# Altium PCB Copy of GameBoard_V1I1_083018.PcbDoc (part 16 of 21) (continued)
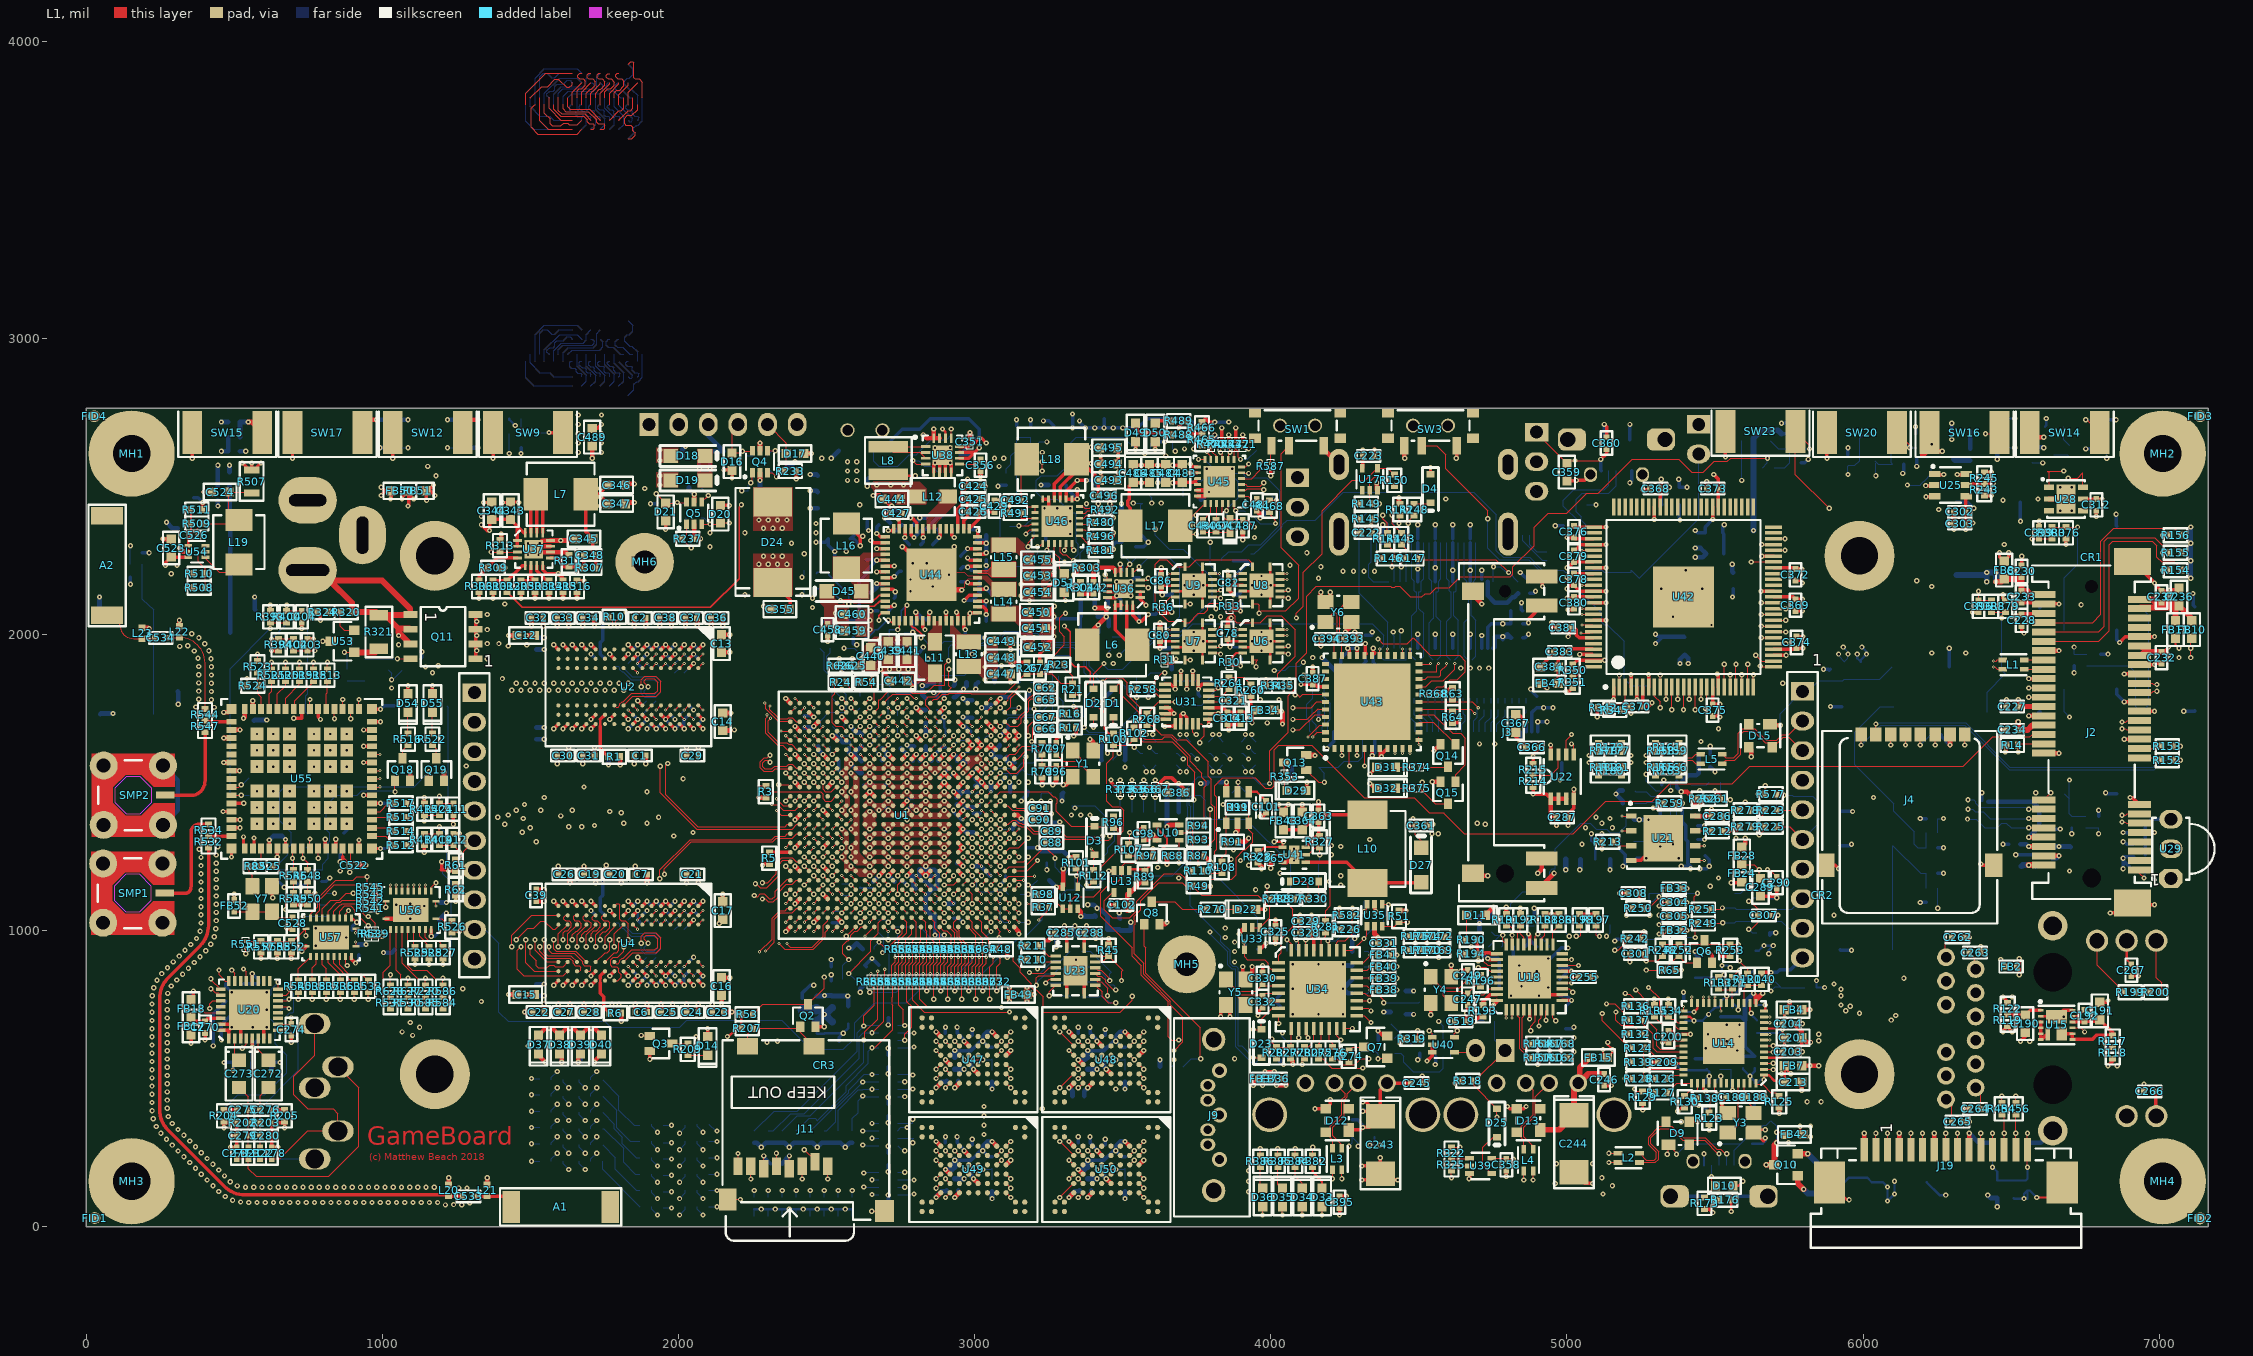
[diagram p0: L1 view]
## Nets (pads, with @x,y where several pads share a name; then routed paths per layer and width w, separated by ;. In a path a pad name is that pad's centre, name@x,y a point inside that pad or via, vN(x,y) a via of type N, cw(c..) or ccw(c..) an arc to the next point about the centre after c; other vN are vias at no path point) (continued)
  L2 w3.94: v3(2866.14,1720.47) v4(2877.95,1732.28) ; v3(3653.54,2185.04) v4(3673.23,2185.04)
MX6_HDMI_D1_P: U1.J4 U9.2 | length 1537.4
  L1 w3.94: v3(2866.14,1688.98) U1.J4@2881.89,1673.23 ; v3(3653.54,2204.72) U9.2@3677.17,2204.72
  L3 w3.94: v4(2877.95,1700.79) 2872.67,1700.79 2868.02,1696.14 2860.94,1696.14 2841.97,1677.17 2819.45,1677.17 2803.74,1692.88 2803.74,1708.58 2803.74,1709.96 2830.71,1736.93 2830.71,1810.35 2889.76,1869.4 2889.76,1987.51 2905.51,2003.26 2929.81,2003.26 2940.94,1992.13 2988.19,1992.13 3015.75,2019.68 3070.87,2019.68 3125.98,2074.8 3196.18,2074.8 3251.97,2019.01 3251.97,1980.32 3256.24,1976.04 3279.87,1976.04 3291.34,1987.51 3325.14,2021.32 3325.14,2049.55 3341.84,2066.25 3370.08,2066.25 3382.87,2079.05 3382.87,2097.96 3396.14,2111.22 3406.5,2111.22 3456.69,2161.42 3546.57,2161.42 3570.19,2137.8 3594.49,2137.8 3653.54,2196.85 3665.35,2196.85 v4(3673.23,2204.72)
  L2 w3.94: v3(2866.14,1688.98) v4(2877.95,1700.79) ; v3(3653.54,2204.72) v4(3673.23,2204.72)
MX6_HDMI_D2_N: U1.K3 U8.3 | length 1544.9
  L1 w3.94: v3(2834.65,1720.47) U1.K3@2850.39,1704.73 ; v3(3881.89,2185.04) U8.3@3905.51,2185.04
  L3 w3.94: v4(2846.46,1708.66) 2866.14,1728.35 2866.14,1772.85 2893.7,1800.41 2893.7,1831.69 2921.26,1859.25 2922.76,1859.25 2924.73,1861.22 2933.59,1861.22 2944.88,1872.51 2944.88,1933.07 2968.5,1956.69 3070.19,1956.69 3129.25,2015.75 3194.11,2015.75 3215.55,1994.3 3215.55,1985.24 3216.54,1984.25 3216.54,1945.56 3232.96,1929.13 3283.46,1929.13 3358.27,2003.94 3476.38,2003.94 3555.12,2082.68 3652.35,2082.68 3659.24,2089.57 3671.47,2089.57 3690.17,2070.87 3744.09,2070.87 3803.15,2129.92 3803.15,2149.61 3826.77,2173.23 3881.21,2173.23 3897.3,2189.31 v4(3901.58,2185.04)
  L2 w3.94: v3(2834.65,1720.47) v4(2846.46,1708.66) ; v3(3881.89,2185.04) v4(3901.58,2185.04)
MX6_HDMI_D2_P: U1.K4 U8.2 | length 1573.9
  L1 w3.94: v3(2834.65,1688.98) U1.K4@2850.39,1673.23 ; v3(3881.89,2204.72) U8.2@3905.51,2204.72
  L3 w3.94: v4(2822.84,1700.79) 2822.72,1700.79 2858.27,1736.34 2858.27,1776.11 2885.83,1803.67 2885.83,1834.95 2918,1867.13 2919.5,1867.13 2921.47,1869.09 2930.33,1869.09 2937.01,1875.77 2937.01,1936.33 2965.24,1964.57 3066.93,1964.57 3125.98,2023.62 3197.37,2023.62 3223.43,1997.57 3223.43,1991.14 3224.41,1990.16 3224.41,1948.82 3236.22,1937.01 3280.2,1937.01 3355.01,2011.81 3473.12,2011.81 3551.86,2090.55 3649.09,2090.55 3655.98,2097.44 3674.73,2097.44 3693.43,2078.74 3740.83,2078.74 3795.28,2133.18 3795.28,2152.87 3823.51,2181.1 3877.95,2181.1 v4(3901.58,2204.72)
  L2 w3.94: v4(2822.84,1700.79) v3(2834.65,1688.98) ; v3(3881.89,2204.72) v4(3901.58,2204.72)
NetC275_2: C275.2 R204.2 | length 43.3
  L1 w11.81: R204.2@465.47,393.86 C275.2@508.78,393.86
NetC276_2: C276.2 R205.2 | length 43.3
  L1 w11.81: C276.2@626.89,393.86 R205.2@670.2,393.86
NetC322_2: C322.2 R267.1 U30.3 | length 99.7
  L12 w3.66: R267.1@5228.35,1472.44 5232.28,1468.5 C322.2@5267.72,1468.5 5283.46,1452.76 U30.3@5319.88,1452.76
NetC342_1: C342.1 R304.2 | length 43.3
  L1 w15.75: R304.2@3358.27,2137.8 C342.1@3401.57,2137.8
NetC349_1: C349.1 R316.2 | length 51.2
  L1 w11.81: R316.2@1657.48,2181.1 v1(1681.1,2181.1)
  L12 w11.81: C349.1@1653.54,2181.1 v1(1681.1,2181.1)
NetC365_1: C365.1 U41.2 | length 40.1
  L1 w7.87: C365.1@4000,1254.53 4038.19,1254.53 U41.2@4039.57,1255.91
NetC413_1: C413.1 D44.1 R427.1 R429.1 | length 182.5
  L12 w3.94: D44.1@5685.8,2653.54 5713.35,2625.98 R427.1@5751.97,2625.98 C413.1@5751.97,2578.74 5736.22,2562.99 R429.1@5700.79,2562.99
NetC480_1: C480.1 D47.1 R467.2 | length 91.4
  L1 w3.94: C480.1@3771.65,2346.46 3773.62,2344.49 D47.1@3862.2,2344.49
NetC492_1: C492.1 D53.1 R491.2 | length 68.9
  L1 w3.94: R491.2@3118.11,2409.45 v1(3118.11,2433.07) C492.1@3118.11,2452.76
  L12 w3.94: D53.1@3118.11,2407.48 v1(3118.11,2433.07)
NetC528_2: C528.2 FB52.1 Y7.1 Y7.4 | length 205
  L1 w3.94: FB52.1@500,1062.99 Y7.4@561.02,1062.99 Y7.1@627.95,1062.99 647.64,1043.31 C528.2@696.85,1043.31
NetD4_1: D4.1 R148.1 | length 64.3
  L1 w3.94: R148.1@4476.38,2440.94 4536.19,2440.94 D4.1@4539.37,2444.13
NetD5_1: D5.1 R154.2 | length 55.1
  L1 w3.94: v1(7011.81,2216.54) R154.2@7035.43,2216.54
  L12 w3.94: v1(7011.81,2216.54) D5.1@7043.31,2216.54
NetD6_1: D6.1 R155.2 | length 55.1
  L1 w3.94: v1(7011.81,2275.59) R155.2@7035.43,2275.59
  L12 w3.94: v1(7011.81,2275.59) D6.1@7043.31,2275.59
NetD7_1: D7.1 R156.2 | length 55.1
  L1 w3.94: v1(7011.81,2334.65) R156.2@7035.43,2334.65
  L12 w3.94: v1(7011.81,2334.65) D7.1@7043.31,2334.65
NetD14_1: D14.1 R209.1 | length 66.9
  L1 w3.94: R209.1@2031.5,578.74 D14.1@2098.43,578.74
NetD29_1: D29.1 R353.2 | length 40.1
  L1 w3.94: R353.2@4047.24,1509.25 4047.24,1480.32 D29.1@4055.12,1472.44
NetD31_1: D31.1 R374.2 | length 60.4
  L1 w3.94: D31.1@4421.26,1551.18 R374.2@4481.69,1551.18
NetD32_1: D32.1 R375.2 | length 60.4
  L1 w3.66: D32.1@4421.26,1480.31 R375.2@4481.69,1480.31
NetD49_2: D49.2 R488.1 | length 151.5
  L1 w11.81: D49.2@3543.31,2712.6 3543.31,2696.85 3559.06,2681.1 3661.42,2681.1 R488.1@3669.29,2673.23
NetD50_2: D50.2 R489.1 | length 62.3
  L1 w11.81: D50.2@3610.24,2712.6 3618.11,2720.47 R489.1@3669.29,2720.47
NetD51_2: D51.2 R490.1 | length 855.3
  L1 w3.94: v1@3303.15,2114.17 D51.2@3303.15,2141.73
  L10 w3.94: v1(3377.95,2440.94) 3385.31,2440.94 3407.95,2463.58 3420.28,2463.58 3489.17,2532.48 3490.37,2532.48 3500,2542.11 3500,2570.87 3538.39,2609.25 3552.94,2609.25 3577.55,2633.86 3599.2,2633.86 3604.12,2638.78 3617.13,2638.78 3637.8,2618.11 v1(3677.17,2618.11)
  L12 w3.94: v1(3307.09,2114.17) 3307.09,2204.72 3335.63,2233.27 3340.76,2233.27 3357.28,2249.79 3357.28,2275.8 3379.71,2298.23 3385.83,2298.23 3385.83,2317.7 3400.59,2332.47 3400.59,2365.93 3376.76,2389.76 3376.76,2439.75 v1(3377.95,2440.94) ; R490.1@3669.29,2653.54 3669.29,2625.98 v1(3677.17,2618.11)
NetJ1_14: J1.14 R142.1 | length 96.2
  L1 w3.94: v1(4433.07,2374.02) 4433.07,2397.64 R142.1@4437.01,2401.57
  L12 w3.94: v1(4433.07,2374.02) 4437.01,2370.08 J1.14@4437.01,2308.66
NetJP3_2: JP3.2 R486.1 | length 2109.7
  L12 w3.94: R486.1@3933.07,2271.65 3944.88,2271.65 3964.57,2291.34 3965.09,2291.34 4038.39,2364.64 4038.39,2369.09 4055.12,2385.83 4149.61,2385.83 4244.09,2480.31 4685.04,2480.31 4761.81,2403.54 4761.81,2282.91 4784.87,2259.84 4874.02,2259.84 4917.32,2216.54 4986.99,2216.54 4993.88,2209.65 5006.12,2209.65 5013.01,2216.54 5118.88,2216.54 5125.77,2209.65 5216.54,2209.65 5216.54,2216.54 5244.09,2188.98 5444.88,2389.76 JP3.2@5444.88,2608.66
NetQ3_3: Q3.3 R209.2 | length 53.1
  L1 w3.94: Q3.3@1978.35,618.11 R209.2@2031.5,618.11
NetQ7_3: Q7.3 R274.1 | length 56.1
  L1 w3.94: R274.1@4263.78,594.49 4275.59,606.3 Q7.3@4314.96,606.3
NetQ8_3: Q8.3 R270.2 | length 195.6
  L1 w3.94: Q8.3@3598.43,1096.46 3676.18,1096.46 3701.77,1070.87 R270.2@3783.46,1070.87
NetQ12_1: Q12.1 R323.2 | length 59.1
  L12 w3.94: R323.2@881.89,1842.52 Q12.1@940.94,1842.52
NetQ13_3: Q13.3 R353.1 | length 37.6
  L1 w3.94: Q13.3@4045.28,1566.93 4045.28,1532.09 R353.1@4047.24,1530.12
NetQ14_1: Q14.1 U43.14 | length 155
  L1 w3.66: 4500,1702.76 4549.21,1702.76 Q14.1@4624.02,1627.95
NetQ14_3: Q14.3 R374.1 | length 96.7
  L1 w3.94: R374.1@4502.56,1551.18 4596.46,1551.18 Q14.3@4598.43,1553.15
NetQ15_1: Q15.1 U43.15 | length 351.6
  L1 w3.66: 4500,1728.35 4551.18,1728.35 4614.17,1665.35 4641.73,1665.35 4657.48,1649.61 4657.48,1559.06 4624.02,1525.59 Q15.1@4624.02,1501.97
NetQ15_3: Q15.3 R375.1 | length 117.9
  L1 w3.66: R375.1@4502.56,1480.31 4555.71,1427.17 Q15.3@4598.43,1427.17
NetR30_2: R30.2 U6.6 | length 54
  L1 w7.87: R30.2@3862.2,1915.94 3883.27,1937.01 U6.6@3905.51,1937.01 U6.6@3904.13,1935.63
NetR31_2: R31.2 U7.6 | length 40.9
  L1 w3.94: R31.2@3641.73,1923.82 3654.92,1937.01 U7.6@3677.17,1937.01
NetR33_2: R33.2 U8.6 | length 52
  L1 w3.94: R33.2@3862.2,2104.92 3884.45,2104.92 3904.13,2124.61 U8.6@3905.51,2125.98
NetR36_2: R36.2 U9.6 | length 49.7
  L1 w3.94: R36.2@3637.8,2100.98 3662.8,2125.98 U9.6@3677.17,2125.98
NetR212_2: R212.2 U21.7 | length 55.8
  L1 w3.94: U21.7@5433.07,1336.22 5486.61,1336.22 R212.2@5488.19,1334.65
NetR213_1: R213.1 U21.3 | length 64.4
  L1 w3.94: R213.1@5157.48,1299.21 5170.47,1286.22 U21.3@5216.54,1286.22
NetR289_2: R289.2 TP52.1 U35.1 | length 111.7
  L1 w3.94: U35.1@4375.98,1088.58 4395.67,1088.58 v1(4397.64,1086.61)
  L12 w3.94: R289.2@4381.89,1003.94 4381.89,1043.31 TP52.1@4389.76,1051.18 4389.76,1078.74 v1(4397.64,1086.61)
NetR320_1: R320.1 R324.2 U53.2 | length 139.6
  L1 w3.94: R324.2@818.9,2074.8 R320.1@858.27,2074.8 858.27,2027.56 872.05,2013.78 U53.2@905.51,2013.78
NetR321_1: R321.1 R323.1 U53.1 | length 182.2
  L1 w3.94: v1(872.05,1938.98) U53.1@905.51,1938.98
  L1 w19.68: U53.1@905.51,1938.98 976.38,1938.98 R321.1@988.19,1950.79
  L12 w3.94: v1(872.05,1938.98) 881.89,1929.13 R323.1@881.89,1881.89
NetR467_1: R467.1 U45.21 | length 55.9
  L1 w3.94: R467.1@3814.96,2385.83 3816.93,2387.8 U45.21@3816.93,2440.94
NetR482_1: R482.1 R486.2 R487.2 | length 136.3
  L12 w11.81: R487.2@3874.02,2192.91 3921.26,2240.16 R486.2@3925.2,2240.16 ; R482.1@3874.02,2248.03 3917.32,2248.03 3923.23,2242.13 R486.2@3925.2,2240.16 ; R486.2@3933.07,2232.28 R486.2@3925.2,2240.16
NetR482_2: R482.2 U45.12 | length 707.3
  L1 w3.94: v1(3755.91,2590.55) U45.12@3777.56,2590.55
  L12 w3.94: v1(3755.91,2590.55) 3775.59,2590.55 3822.83,2543.31 3905.51,2543.31 3910.43,2538.39 3910.43,2537.19 3919.08,2528.54 3986.01,2528.54 4030.51,2484.04 4030.51,2367.9 3965.76,2303.15 3925.2,2303.15 3901.57,2279.53 3858.27,2279.53 3834.65,2255.91 R482.2@3834.65,2248.03
NetR487_1: R487.1 U46.12 | length 698.7
  L1 w3.94: U46.12@3354.33,2431.1 3366.92,2431.1 3371.84,2426.18 3389.55,2426.18 3395.46,2432.09 3408.46,2432.09 v1(3417.32,2440.94)
  L10 w3.94: v1(3417.32,2440.94) 3417.32,2393.7 3440.94,2370.08 3725.39,2370.08 3742.13,2353.35 3754.15,2353.35 3795.28,2312.22 v1(3795.28,2311.02)
  L12 w3.94: v1(3795.28,2311.02) 3795.28,2232.28 R487.1@3834.65,2192.91 3833.66,2192.91 3811.02,2215.55
NetR491_1: R491.1 U46.21 | length 65
  L1 w3.94: R491.1@3157.48,2409.45 3157.48,2391.73 U46.21@3204.72,2391.73
NetR493_1: R493.1 U46.24 | length 79.6
  L1 w3.94: v1(3181.1,2295.28) 3181.1,2309.06 U46.24@3204.72,2332.68
  L12 w3.94: R493.1@3169.29,2267.72 3181.1,2279.53 v1(3181.1,2295.28)
NetR512_2: R512.2 U55.50 | length 90.8
  L1 w3.94: U55.50@965.55,1318.9 1011.81,1318.9 R512.2@1043.31,1287.4
NetR513_1: R513.1 U55.6 | length 97.1
  L1 w3.94: U55.6@811.02,1747.05 811.02,1799.21 814.96,1803.15 R513.1@814.96,1842.52
NetR514_2: R514.2 U55.51 | length 82.6
  L1 w3.94: U55.51@965.55,1346.46 1031.5,1346.46 R514.2@1043.31,1334.65
NetR515_2: R515.2 U55.52 | length 81
  L1 w3.94: U55.52@965.55,1374.02 973.43,1381.89 R515.2@1043.31,1381.89
NetR517_2: R517.2 U55.53 | length 89.2
  L1 w3.94: U55.53@965.55,1401.57 992.43,1401.57 1019.98,1429.13 R517.2@1043.31,1429.13
NetR518_1: R518.1 U55.10 | length 123.2
  L1 w3.94: U55.10@700.79,1747.05 704.72,1750.98 704.72,1775.59 767.72,1838.58 R518.1@767.72,1842.52
NetR519_1: R519.1 U55.11 | length 115
  L1 w3.94: U55.11@673.23,1747.05 673.23,1783.46 720.47,1830.71 R519.1@720.47,1842.52
NetR520_1: R520.1 U55.12 | length 106.9
  L1 w3.94: U55.12@645.67,1747.05 645.67,1799.21 673.23,1826.77 R520.1@673.23,1842.52
NetR521_1: R521.1 U55.13 | length 98.7
  L1 w3.94: U55.13@618.11,1747.05 618.11,1799.21 625.98,1807.09 R521.1@625.98,1842.52
NetR523_1: R523.1 R524.1 U55.14 | length 127.9
  L1 w3.94: R523.1@578.74,1870.08 578.74,1799.21 590.55,1787.4 U55.14@590.55,1747.05
NetR533_2: R533.2 U57.17 | length 146
  L1 w3.94: U57.17@856.3,911.42 856.3,883.86 885.83,854.33 929.13,854.33 R533.2@952.76,830.71
NetR534_1: R534.1 SMP1.1 | length 359.7
  L1 w11.81: SMP1.1@265.75,1125.98 336.95,1125.98 ccw(c336.95,1139.43) 346.46,1129.92 ccw(c327.45,1148.93) 354.33,1148.93 354.33,1331.38 cw(c381.21,1331.38) 362.2,1350.39 cw(c381.21,1331.38) 381.21,1358.27 R534.1@413.39,1358.27
NetR535_2: R535.2 U57.16 | length 115.8
  L1 w3.94: U57.16@836.61,911.42 836.61,888.47 894.38,830.71 R535.2@905.51,830.71
NetR536_2: R536.2 U57.15 | length 97.8
  L1 w3.94: U57.15@816.93,911.42 816.93,891.73 858.27,850.39 R536.2@858.27,830.71
NetR537_2: R537.2 U57.14 | length 86.4
  L1 w3.94: U57.14@797.24,911.42 797.24,883.86 811.02,870.08 R537.2@811.02,830.71
NetR538_2: R538.2 U57.13 | length 86.4
  L1 w3.94: R538.2@763.78,830.71 763.78,874.02 777.56,887.8 U57.13@777.56,911.42
NetR540_2: R540.2 U57.12 | length 97.8
  L1 w3.94: R540.2@716.54,830.71 716.54,870.08 U57.12@757.87,911.42
NetR547_1: R547.1 SMP2.1 | length 326.3
  L1 w11.81: SMP2.1@267.72,1456.69 357.31,1456.69 ccw(c357.31,1497.02) 385.83,1468.5 ccw(c347.81,1506.52) 401.57,1506.52 R547.1@401.57,1669.29
NetR551_2: R551.2 R552.2 R557.1 R558.1 U56.10 U57.10 | length 626.3
  L1 w3.94: R551.2@539.37,963.19 691.54,963.19 R552.2@692.91,964.57 700.79,964.57 U57.10@742.13,1005.91 v1(742.13,982.28) ; v1(1011.81,1078.74) U56.10@1011.81,1098.43
  L10 w3.94: v1(742.13,982.28) 773.62,982.28 808.56,947.34 894.09,947.34 941.62,994.87 943.38,993.11 962.13,993.11 975.39,1006.37 975.39,1025.12 973.64,1026.88 1011.81,1065.06 v1(1011.81,1078.74)
NetR587_1: R587.1 SW1.3 | length 59.3
  L1 w3.94: R587.1@4000,2577.36 4000,2633.86 SW1.3@4001.97,2635.83
OCK_INV: R350.2 R351.2 U42.100 | length 82.9
  L1 w3.94: R350.2@5019.69,1858.27 5031.5,1858.27 5062.99,1889.76 U42.100@5089.57,1889.76
OEn: R34.2 R35.2 U6.1 U7.1 U8.1 U9.1 | length 1337.8
  L1 w3.94: U8.1@3938.98,2228.35 3938.98,2238.19 3925.2,2251.97 3748.03,2251.97 3724.41,2228.35 U9.1@3710.63,2228.35 3672.03,2228.35 3648.41,2251.97 3625.98,2251.97 3610.24,2236.22 3610.24,2086.28 3653.21,2043.31 3706.69,2043.31 U7.1@3710.63,2039.37 3724.41,2039.37 3755.91,2070.87 3775.59,2070.87 3787.4,2082.68 3787.4,2098.43 3794.08,2105.11 3835.84,2105.11 3842.52,2098.43 3842.52,2082.68 3855.31,2069.88 3872.26,2069.88 3880.91,2061.23 3880.91,2044.29 3885.83,2039.37 U6.1@3938.98,2039.37 3964.57,2039.37 3988.19,2062.99 4035.43,2062.99 4082.68,2015.75 4082.68,1925.2 4023.62,1866.14 R35.2@4023.62,1826.77
ON_OFF: R66.1 TP3.1 U1.D12 | length 264.5
  L1 w3.94: U1.D12@3039.37,1421.26 v3(3055.12,1437.01)
  L3 w3.94: v4(3066.93,1425.2) 3069.88,1422.24 3205.87,1422.24 3220.63,1437.01 v2(3224.49,1437.01)
  L2 w3.94: v3(3055.12,1437.01) v4(3066.93,1425.2)
  L12 w3.94: v2(3224.49,1437.01) 3224.49,1460.71 TP3.1@3228.35,1464.57 R66.1@3259.84,1464.57
OTG/IUSB1: R473.1 R479.2 TP49.1 U45.8 | length 103.9
  L1 w3.94: U45.8@3856.3,2590.55 3858.27,2592.52 3858.27,2610.24 v1(3862.2,2614.17) 3862.2,2627.36 R473.1@3858.27,2631.3
  L12 w3.94: v1@3854.33,2618.11 R479.2@3854.33,2637.8 TP49.1@3893.7,2637.8
OTG/IUSB2: R495.1 R496.2 U46.8 | length 513
  L1 w3.94: U46.8@3354.33,2352.36 3372.05,2352.36 v1(3385.83,2338.58) 3393.7,2330.71 R496.2@3405.51,2330.71
  L10 w3.94: v1(3385.83,2338.58) 3390.75,2343.5 3390.75,2407.27 3386.81,2411.21 3386.81,2423.44 3392.72,2429.34 3392.72,2437.22 3411.21,2455.71 3487.2,2455.71 3548.23,2516.73 3548.23,2517.93 3556.88,2526.57 3558.07,2526.57 3577.76,2546.26 3577.76,2607.28 v1(3574.8,2610.24)
  L12 w3.94: v1(3574.8,2610.24) 3578.74,2610.24 3595.47,2626.97 3595.47,2645.28 R495.1@3599.8,2649.61
OTG_ENABLE: U40.1 U51.4 | length 53.1
  L1 w3.94: v1(4535.43,661.42) 4545.28,651.57 U40.1@4545.28,639.76
  L12 w3.94: v1(4535.43,661.42) 4549.21,647.64 U51.4@4557.09,647.64
OTG_ENABLE_HZ: JP2.2 U40.4 | length 73.7
  L1 w3.94: U40.4@4620.08,588.58 4685.43,588.58 JP2.2@4691.34,594.49
P\D\: R589.2 U42.2 | length 75.8
  L1 w3.94: U42.2@5177.17,1821.85 v1(5177.17,1862.2)
  L12 w3.94: R589.2@5177.17,1826.77 v1(5177.17,1862.2)
P\D\O\: R348.2 U42.9 | length 75.8
  L1 w3.94: U42.9@5314.96,1821.85 v1(5314.96,1862.2)
  L12 w3.94: R348.2@5314.96,1826.77 v1(5314.96,1862.2)
PCIE_C_TX_N: C62.1 U1.A3 | length 155.8
  L1 w3.94: U1.A3@3133.86,1704.73 3143.7,1714.57 3149.61,1714.57 3149.61,1719.8 3175.37,1745.56 3175.37,1777.73 3187.35,1789.71 3191.28,1789.71 C62.1@3220.47,1818.9
PCIE_C_TX_P: C65.1 U1.B3 | length 192.1
  L1 w3.94: U1.B3@3102.36,1704.73 3118.11,1688.98 3145.67,1688.98 3157.48,1700.79 3157.48,1716.54 3183.24,1742.3 3183.24,1774.47 3190.61,1781.83 3206.36,1781.83 3208.66,1779.53 C65.1@3220.47,1779.53
PCIE_CLK_C_N: C66.1 U1.C7 | length 242.1
  L1 w3.94: U1.C7@3070.87,1578.74 v1(3086.61,1562.99) ; v1(3192.91,1637.8) 3195.87,1640.75 3195.87,1663.6 3195.87,1684.06 3204.72,1692.91 3208.66,1692.91 C66.1@3220.47,1681.1
  L10 w3.94: v1(3086.61,1562.99) 3118.11,1594.49 3144.99,1594.49 3177.17,1626.66 3177.17,1629.92 3185.04,1637.8 v1(3192.91,1637.8)
PCIE_CLK_C_P: C67.1 U1.D7 | length 280.5
  L1 w3.94: U1.D7@3039.37,1578.74 v1(3055.12,1562.99) ; v1(3181.1,1657.48) 3181.1,1688.98 3212.6,1720.47 C67.1@3220.47,1720.47
  L10 w3.94: v1(3055.12,1562.99) 3094.49,1602.36 3141.73,1602.36 3166.73,1627.36 3166.73,1643.1 v1(3181.1,1657.48)
PCIE_CLK_N: C66.2 J2.11 R17.2 | length 4403.2
  L1 w3.94: C66.2@3259.84,1681.1 3299.21,1681.1 R17.2@3303.15,1685.04 3314.96,1696.85 v3(3318.9,1696.85) ; v1(6874.02,1366.14) 6885.83,1366.14 6889.76,1362.2 J2.11@6933.07,1362.2
  L3 w3.94: v4(3330.71,1708.66) 3338.58,1716.54 3515.07,1716.54 3546.57,1748.03 3810.35,1748.03 3833.97,1771.65 3929.81,1771.65 3949.91,1751.56 3955.17,1751.56 3958.69,1748.03 3981.67,1748.03 4013.16,1716.54 4060.04,1716.54 4060.04,1718.71 4068.69,1727.36 4080.92,1727.36 4085.24,1723.04 4101.37,1739.17 4190.51,1739.17 4211.19,1759.84 4246.62,1795.28 4516.42,1795.28 4528.23,1783.46 4532.17,1779.53 4728.35,1779.53 4775.59,1732.28 4908.93,1732.28 4911.88,1729.33 5027.56,1729.33 5038.39,1740.16 5125.98,1740.16 5136.81,1729.33 5165.14,1729.33 5168.1,1732.28 5173.23,1737.41 5198.04,1737.41 5216.54,1755.91 5263.78,1755.91 5299.21,1720.47 5488.19,1720.47 5503.94,1736.22 5601.69,1736.22 5605.62,1740.16 5653.88,1788.42 5653.88,1795.61 5740.16,1881.89 5819.57,1881.89 5866.82,1834.65 6294.6,1834.65 6428.46,1968.5 6484.93,1968.5 6508.55,1944.88 6633.86,1819.57 6763.78,1689.65 6763.78,1394.38 6784.14,1374.02 6858.27,1374.02 6866.14,1366.14 v1(6874.02,1366.14)
  L2 w3.94: v3(3318.9,1696.85) v4(3330.71,1708.66)
PCIE_CLK_P: C67.2 J2.13 R16.2 | length 4430.3
  L1 w3.94: C67.2@3259.84,1720.47 3291.34,1720.47 R16.2@3303.15,1732.28 3314.96,1720.47 v3(3318.9,1720.47) ; v1(6874.02,1388.78) 6886.81,1388.78 6891.73,1393.7 J2.13@6933.07,1393.7
  L3 w3.94: v4(3307.09,1708.66) 3322.83,1724.41 3511.81,1724.41 3545.61,1758.21 3580.37,1758.21 3582.68,1755.91 3807.09,1755.91 3830.71,1779.53 3933.07,1779.53 3953.17,1759.43 3958.43,1759.43 3961.96,1755.91 3984.93,1755.91 4016.42,1724.41 4054.6,1724.41 4065.43,1735.24 4084.18,1735.24 4085.24,1734.17 4098.11,1747.04 4187.25,1747.04 4243.36,1803.15 4519.69,1803.15 4535.43,1787.4 4731.61,1787.4 4778.85,1740.16 4912.19,1740.16 4915.14,1737.2 5024.3,1737.2 5035.12,1748.03 5129.25,1748.03 5140.07,1737.2 5161.88,1737.2 5169.97,1745.29 5194.78,1745.29 5213.27,1763.78 5267.04,1763.78 5302.47,1728.35 5482.23,1728.35 5501.91,1748.03 5602.36,1748.03 5646.01,1791.68 5646.01,1798.87 5736.9,1889.76 5759.84,1889.76 5761.47,1891.39 ; 5763.1,1889.76 5822.83,1889.76 5870.08,1842.52 6291.34,1842.52 6425.2,1976.38 6488.19,1976.38 6511.81,1952.76 6771.65,1692.91 6771.65,1397.64 6787.4,1381.89 6858.27,1381.89 6865.16,1388.78 v1(6874.02,1388.78)
  L2 w3.94: v4(3307.09,1708.66) v3(3318.9,1720.47)
PCIe_REXT: R15.2 U1.A2 | length 55.4
  L1 w3.66: U1.A2@3133.86,1736.22 v1(3149.61,1751.97)
  L12 w3.66: R15.2@3118.11,1748.03 3122.05,1751.97 v1(3149.61,1751.97)
PCIE_RSTn: J2.22 R108.2 R110.1 | length 3601.6
  L1 w3.94: R110.1@3775.59,1200.79 3783.46,1192.91 R108.2@3834.65,1192.91 3834.65,1204.72 3830.13,1209.24 3818.32,1209.24 3811.02,1216.54 3811.02,1266.9 3817.91,1273.79 3817.91,1449.8 3811.02,1456.69 3811.02,1488.19 3837.6,1514.76 3947.6,1514.76 3982.05,1480.31 4003.94,1480.31 4011.81,1488.19 4011.81,1610.91 4026.88,1625.98 4137.8,1625.98 4314.96,1448.82 4484.25,1448.82 4535.43,1397.64 4586.61,1397.64 4586.61,1393.7 4653.54,1326.77 5020.56,1326.77 5130.79,1437.01 5287.4,1437.01 5346.46,1496.06 5559.06,1496.06 5618.11,1555.12 6338.58,1555.12 6437.01,1653.54 6562.99,1653.54 6570.87,1661.42 J2.22@6610.24,1661.42
PCIE_RSTn_R: R18.1 R110.2 R674.1 | length 2750.7
  L1 w3.94: v1(3712.6,1200.79) R110.2@3736.22,1200.79
  L3 w3.94: v2(3964.57,1779.53) v2(4027.56,1779.53)
  L10 w3.94: v5(2582.68,1720.47) 2566.93,1736.22 2566.93,1918.52 2581.48,1933.07 2957.37,1933.07 2976.12,1914.32 2977.64,1912.8 3080.11,1912.8 3084.44,1908.46 3402.56,1908.46 3424.21,1886.81 3474.62,1886.81 3485.45,1897.64 3503.88,1897.64 3559,1952.76 3562.99,1952.76 3580.28,1935.47 3580.28,1889.16 3629.32,1840.12 3642.26,1840.12 3661.85,1820.53 3671.05,1829.72 3770.64,1829.72 3783.43,1842.52 3834.13,1842.52 3878.94,1797.71 3878.94,1789.16 3888.57,1779.53 v2(3964.57,1779.53) ; v1(3712.6,1200.79) 3712.6,1236.22 3778.54,1302.17 3778.54,1391.94 3767.72,1402.77 3767.72,1404.99 3772.17,1409.45 3772.17,1420.58 3783.67,1432.09 3785.9,1432.09 3794.76,1440.94 3910.12,1440.94 3918,1448.82 3925.39,1448.82 4015.75,1539.18 4015.75,1550.13 4024.88,1559.26 4024.88,1707.24 4012.8,1719.33 4012.8,1752.37 4027.56,1767.13 v2(4027.56,1779.53)
  L11 w3.94: v6(2570.87,1708.66) v5(2582.68,1720.47) v6(2594.49,1732.28)
  L12 w3.94: R18.1@2559.06,1688.98 2559.06,1696.85 v6(2570.87,1708.66) ; v6(2594.49,1732.28) R674.1@2614.17,1751.97
PCIE_RSTn_R_CPU: R18.2 R581.2 U1.V5 | length 98.3
  L1 w3.66: v2(2582.68,1657.48) U1.V5@2598.43,1641.73
  L12 w3.66: R18.2@2519.69,1688.98 2551.18,1657.48 v2(2582.68,1657.48)
PCIE_RSTn_R_CPU_ALT: R674.2 U1.R3 | length 221
  L1 w3.94: U1.R3@2692.91,1704.73 v2(2708.66,1720.47)
  L12 w3.94: R674.2@2614.17,1791.34 2614.17,1807.09 2622.05,1814.96 2692.91,1814.96 2708.66,1799.21 v2(2708.66,1720.47)
PCIE_RX_N: J2.23 U1.B1 | length 4338.6
  L1 w3.94: U1.B1@3102.36,1767.72 3114.17,1779.53 3114.17,1786.73 v3(3149.94,1822.5) ; v1(6874.02,1681.1) 6885.83,1681.1 6889.76,1677.17 J2.23@6933.07,1677.17
  L3 w3.94: v4(3138.13,1810.69) 3149.94,1810.69 3147.3,1808.04 3147.3,1801.52 3161.42,1787.4 3236.9,1787.4 3252.64,1771.65 3343.2,1771.65 3374.69,1740.16 3467.83,1740.16 3475.7,1748.03 3542.63,1814.96 3602.36,1814.96 3637.8,1779.53 3644.47,1772.85 3662.4,1772.85 3662.4,1777.77 3671.05,1786.42 3683.28,1786.42 3691.93,1777.77 3691.93,1772.85 3768.24,1772.85 3789.55,1794.16 3852.02,1794.16 3872.82,1814.96 3921.94,1814.96 3937.68,1799.21 4032.17,1799.21 4063.67,1767.72 4173.23,1767.72 4188.98,1783.46 4231.61,1826.1 4540.72,1826.1 4547.92,1818.9 4728.35,1818.9 4783.46,1763.78 4912.19,1763.78 4920.07,1771.65 4965.92,1771.65 4980.68,1756.89 5027.56,1756.89 5042.32,1771.65 5129.92,1771.65 5144.69,1756.89 5170.28,1756.89 5208.66,1795.28 5614.17,1795.28 5724.41,1905.51 5846.61,1905.51 5853.5,1912.4 5878.78,1912.4 5885.67,1905.51 6290.66,1905.51 6385.15,2000 6492.8,2000 6803.82,1688.98 6831.38,1688.98 6839.26,1681.1 v1(6874.02,1681.1)
  L2 w3.94: v4(3138.13,1810.69) v3(3149.94,1822.5)
PCIE_RX_P: J2.25 U1.B2 | length 4325.2
  L1 w3.94: U1.B2@3102.36,1736.22 3122.05,1755.91 3122.05,1783.46 3137.8,1799.21 v3(3149.61,1799.21) ; v1(6874.02,1703.74) 6886.81,1703.74 6891.73,1708.66 J2.25@6933.07,1708.66
  L3 w3.94: v4(3161.42,1811.02) 3155.17,1804.78 3164.68,1795.28 3240.16,1795.28 3248.03,1787.4 3255.91,1779.53 3346.46,1779.53 3377.95,1748.03 3464.57,1748.03 3539.37,1822.83 3605.62,1822.83 3647.74,1780.72 3654.53,1780.72 3654.53,1781.03 3667.79,1794.29 3686.54,1794.29 3699.8,1781.03 3699.8,1780.72 3764.97,1780.72 3786.29,1802.04 3848.76,1802.04 3869.56,1822.83 3925.2,1822.83 3940.94,1807.09 4035.43,1807.09 4066.93,1775.59 4169.97,1775.59 4209.34,1814.96 4228.35,1833.97 4543.98,1833.97 4551.18,1826.77 4731.61,1826.77 4786.73,1771.65 4908.93,1771.65 4916.8,1779.53 4969.18,1779.53 4983.94,1764.76 5024.3,1764.76 5039.06,1779.53 5133.18,1779.53 5147.95,1764.76 5167.01,1764.76 5205.4,1803.15 5610.91,1803.15 5721.15,1913.39 5843.35,1913.39 5850.24,1920.28 5882.04,1920.28 5888.93,1913.39 6287.4,1913.39 6381.89,2007.87 6496.06,2007.87 6807.09,1696.85 6867.13,1696.85 v1(6874.02,1703.74)
  L2 w3.94: v3(3149.61,1799.21) v4(3161.42,1811.02)
PCIE_TX_N: C62.2 J2.31 | length 4140.6
  L1 w3.94: C62.2@3259.84,1818.9 3271.65,1807.09 v3(3275.59,1807.09) ; J2.31@6933.07,1803.15 6974.41,1803.15 6979.33,1808.07 v1(6992.13,1808.07)
  L3 w3.94: v4(3287.4,1795.28) 3322.83,1795.28 3342.52,1814.96 3503.26,1814.96 3530.82,1842.52 3618.11,1842.52 3625.98,1834.65 3851.74,1834.65 3863.56,1846.46 3952.24,1846.46 3974.88,1823.82 3993.63,1823.82 3996.92,1827.11 4050.32,1827.11 4053.62,1823.82 4069.88,1823.82 4083.66,1810.04 4088.79,1810.04 4091.75,1807.09 4098.94,1807.09 4101.25,1804.78 4122.33,1804.78 4124.63,1807.09 4172.55,1807.09 4215.86,1850.39 4551.18,1850.39 4562.99,1838.58 4757.54,1838.58 4800.84,1795.28 4865.62,1795.28 4868.58,1792.32 4887.33,1792.32 4890.28,1795.28 4975.86,1795.28 4986.69,1784.45 4987.2,1784.45 4988.19,1783.46 5015.75,1783.46 5037.06,1804.78 5186.67,1804.78 5200.79,1818.9 5270.98,1818.9 5282.79,1830.71 5444.88,1830.71 5455.06,1840.89 5455.06,1872.39 5472.44,1889.76 5494.71,1889.76 5511.81,1906.86 5511.81,1910.12 5547.55,1945.87 5784.45,1945.87 5811.02,1972.44 6298.54,1972.44 6357.59,2031.5 6551.18,2031.5 6606.3,1976.38 6606.3,1933.75 6650.28,1889.76 6724.41,1889.76 6806.1,1808.07 v1(6992.13,1808.07)
  L2 w3.94: v3(3275.59,1807.09) v4(3287.4,1795.28)
PCIE_TX_P: C65.2 J2.33 | length 4172.7
  L1 w3.94: C65.2@3259.84,1771.65 3271.65,1783.46 v3(3275.59,1783.46) ; J2.33@6933.07,1834.65 6976.38,1834.65 6980.31,1830.71 v1(6992.13,1830.71)
  L3 w3.94: v4(3263.78,1795.28) 3271.53,1795.28 3282.75,1806.5 3292.05,1806.5 3295.4,1803.15 3319.57,1803.15 3339.26,1822.83 3500,1822.83 3527.56,1850.39 3621.37,1850.39 3629.25,1842.52 3848.48,1842.52 3860.29,1854.33 3955.5,1854.33 3978.14,1831.69 3990.37,1831.69 3993.66,1834.98 4053.59,1834.98 4056.88,1831.69 4069.11,1831.69 4071.13,1833.71 4086.92,1817.91 4092.05,1817.91 4095.01,1814.96 4102.21,1814.96 4104.51,1812.65 4119.07,1812.65 4121.37,1814.96 4169.29,1814.96 4204.72,1850.39 4212.6,1858.27 4554.44,1858.27 4566.25,1846.46 4760.8,1846.46 4804.1,1803.15 4868.88,1803.15 4871.84,1800.2 4884.07,1800.2 4887.02,1803.15 4979.12,1803.15 4989.95,1792.32 4990.47,1792.32 4991.45,1791.34 5012.49,1791.34 5033.8,1812.65 5117.83,1812.65 5118.79,1813.61 5119.74,1812.65 5183.41,1812.65 5194.17,1823.41 5197.53,1826.77 5267.72,1826.77 5279.53,1838.58 5441.62,1838.58 5447.19,1844.15 5447.19,1875.65 5469.18,1897.64 5491.45,1897.64 5503.94,1910.12 5503.94,1913.39 5544.29,1953.74 5781.19,1953.74 5807.76,1980.31 6295.28,1980.31 6354.33,2039.37 6554.44,2039.37 6614.17,1979.64 6614.17,1937.01 6653.54,1897.64 6727.67,1897.64 6802.47,1822.84 6984.25,1822.84 v1(6992.13,1830.71)
  L2 w3.94: v4(3263.78,1795.28) v3(3275.59,1783.46)